# Allegro board Coral-Dev-Board-Mini-layout-Allegro.brd
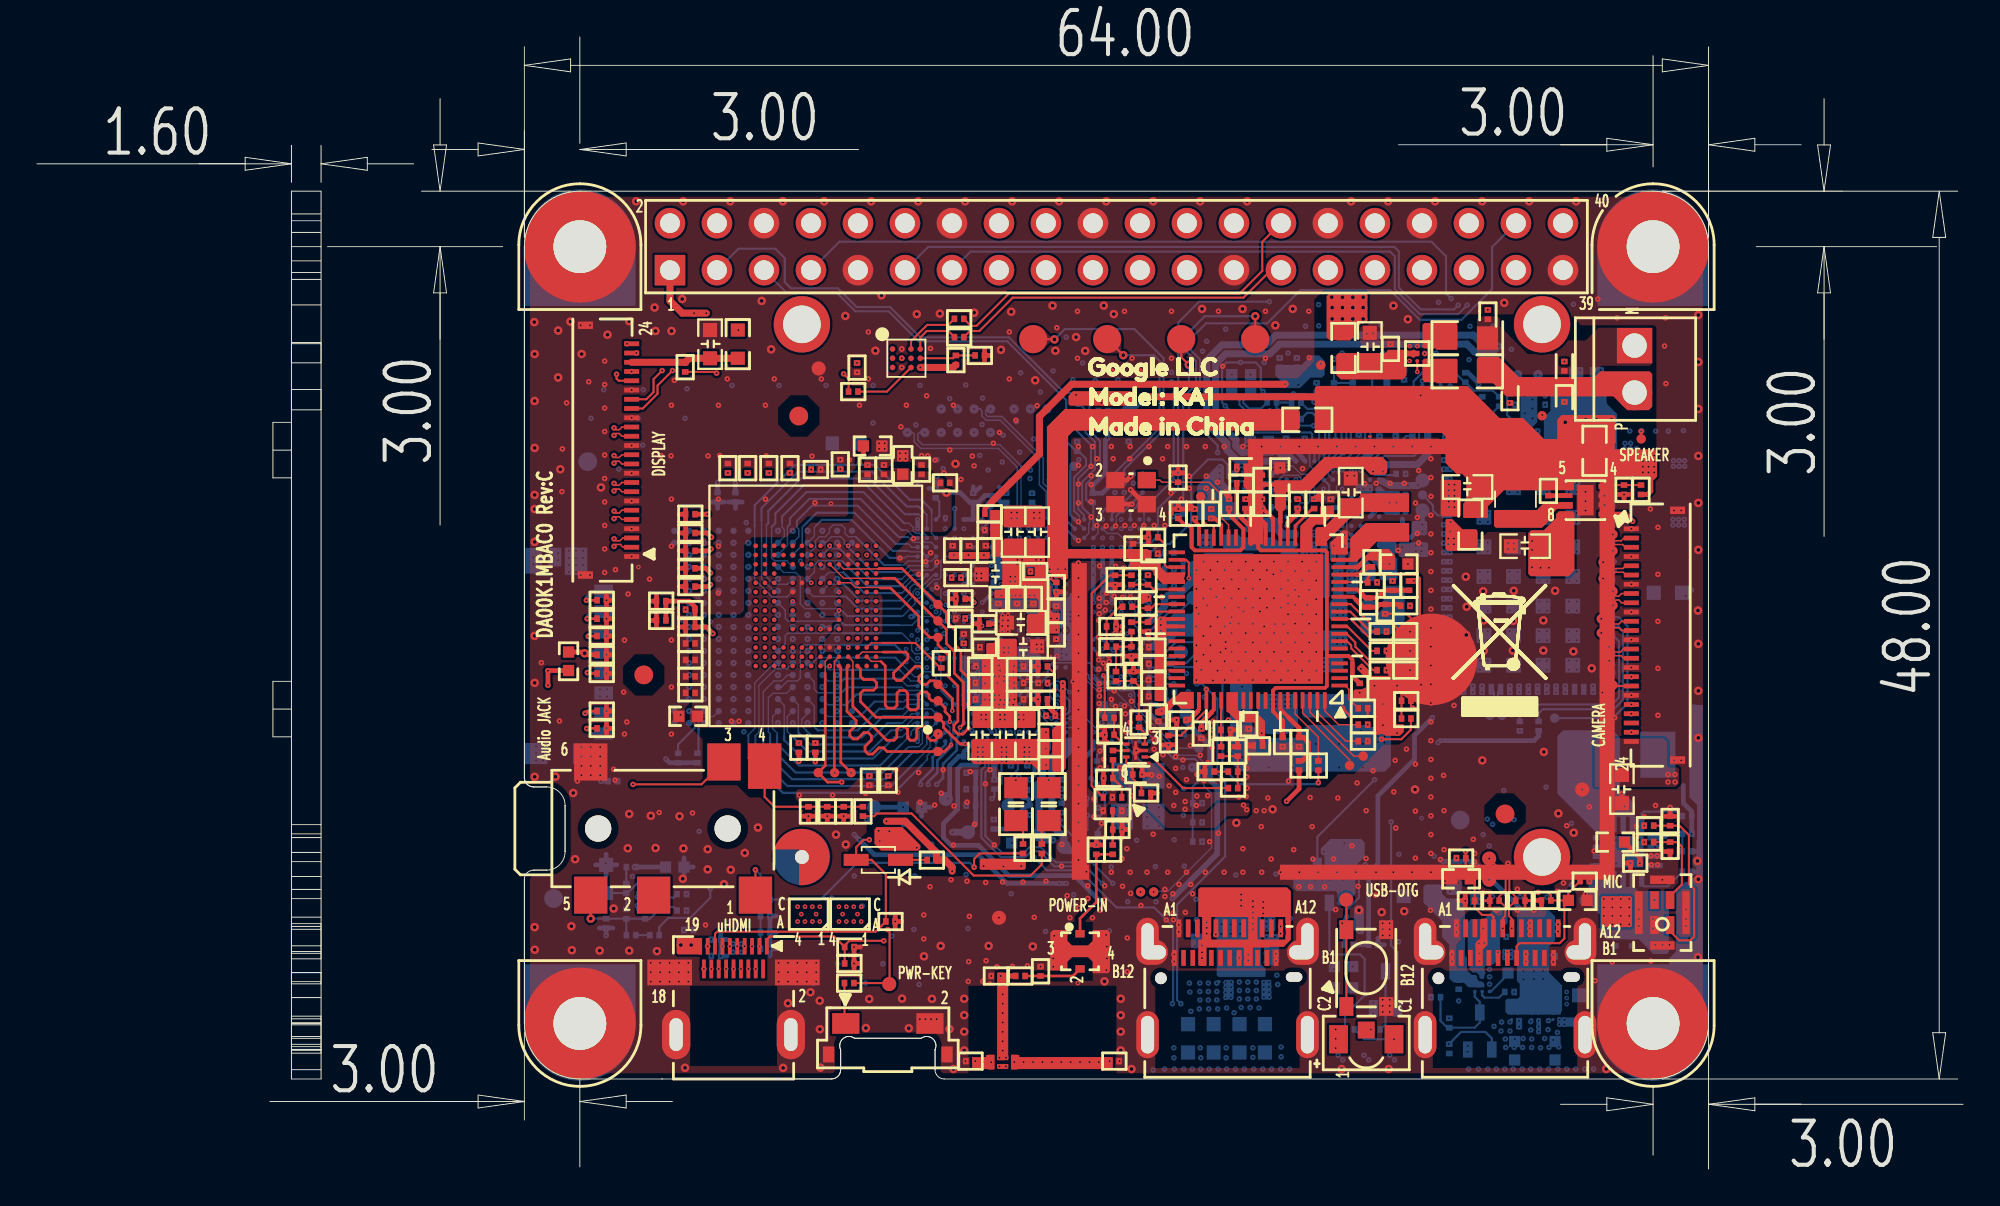
[diagram p0: board, top side]
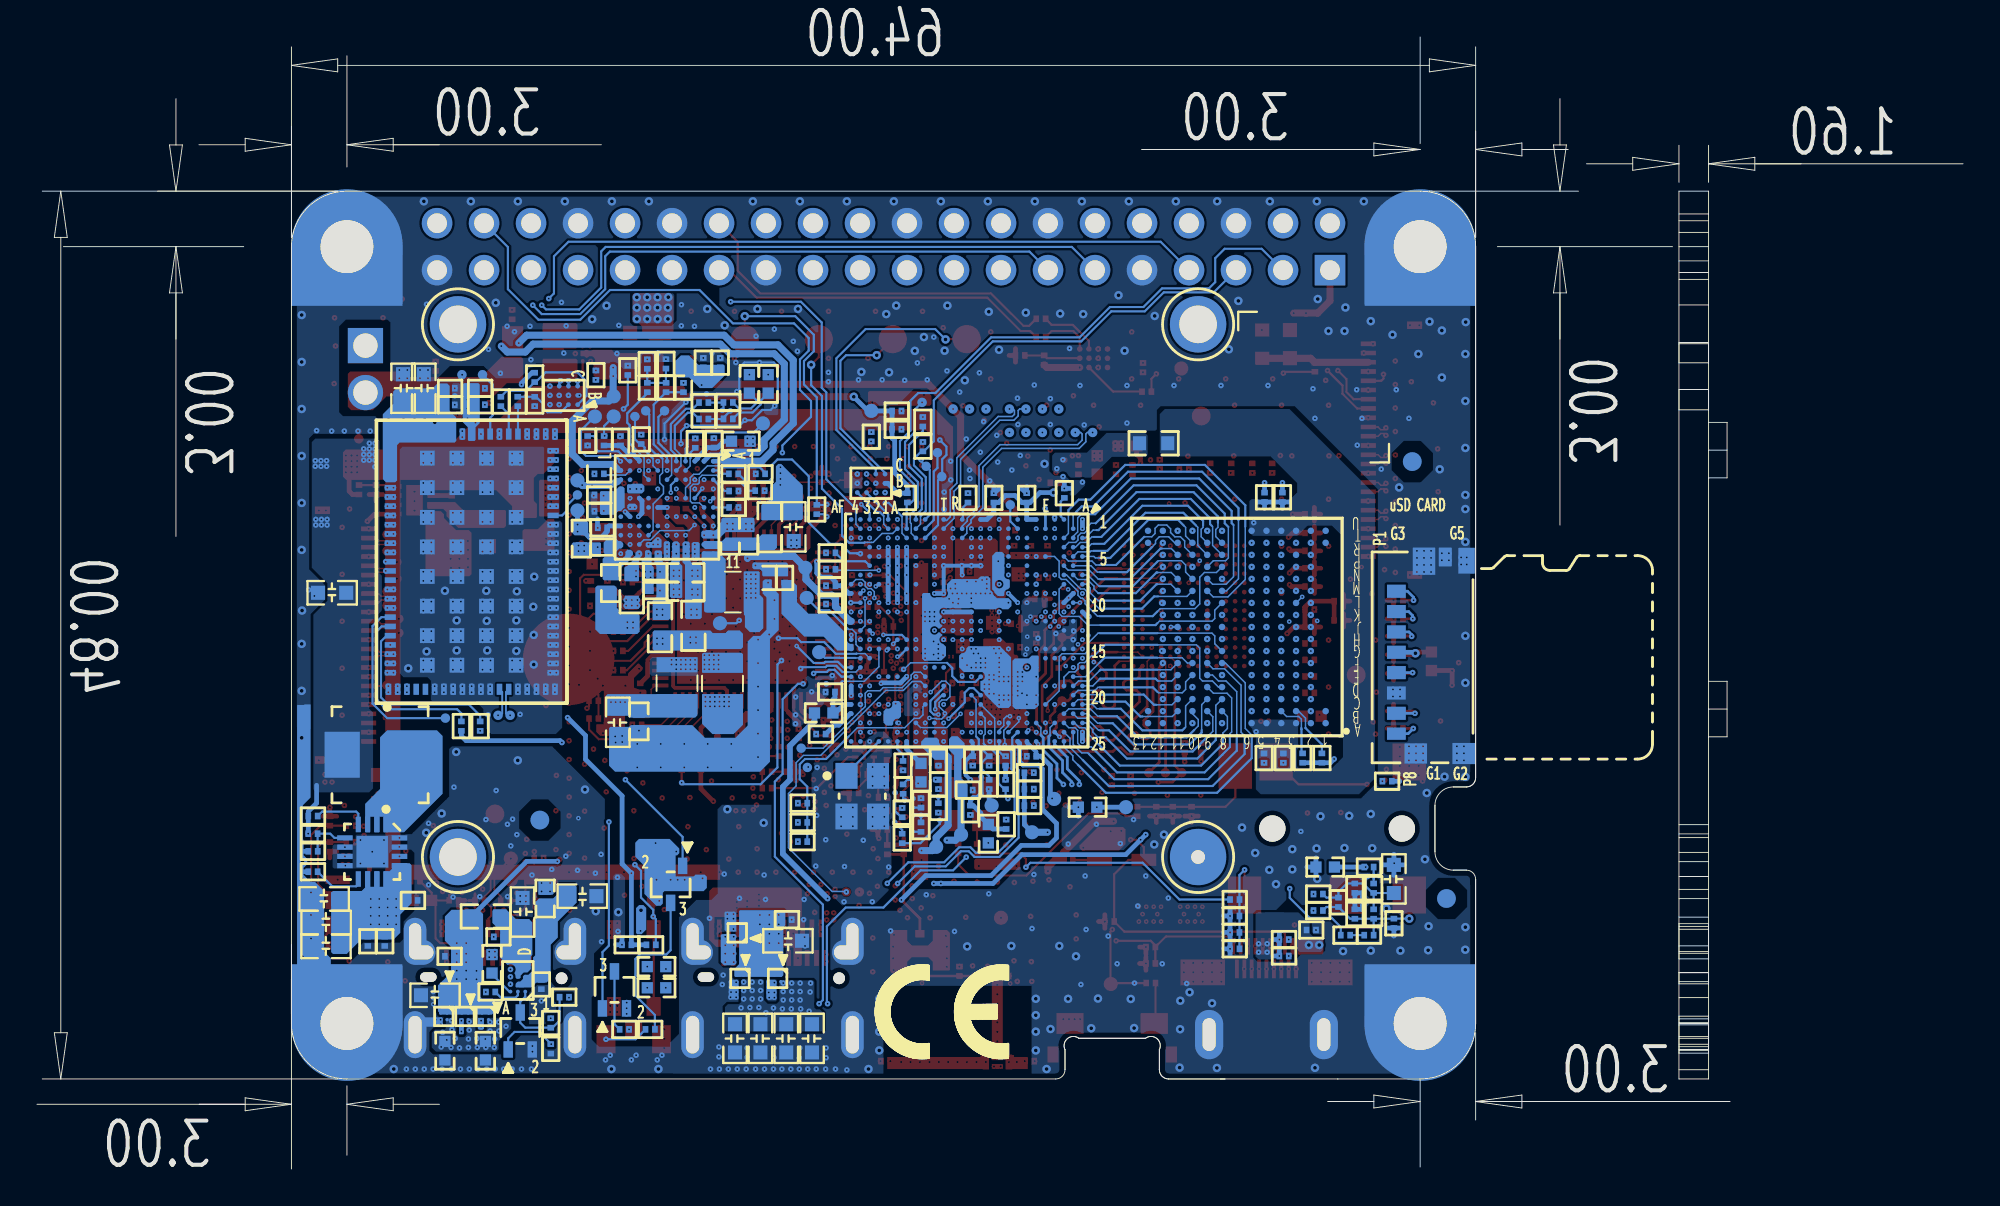
[diagram p1: board, bottom side, seen from below]

Outline 104.09 x 61.2 mm; copper layers: TOP, L02_GND1, L03_IN1, L04_IN2, L05_POW, L06_GND2, L07_IN3, L08_IN4, L09_IN5, BOTTOM. Coordinates in mm from the lower left corner of the outline.

## Design rules (mm)
constraint set DEFAULT: min track width 0.114
net group CLK_16_N: nets CLK_N CLK_P
net group D0N_16: nets D0N D0P
net group D1: nets HDMI_D1_N HDMI_D1_P
net group D1P_16: nets D1N D1P
net group D2N_16: nets D2N D2P
net group DVDDIO_ANTSEL: nets DVDDIO_ANTSEL N17933258
net group ECLK0: nets ECLK0 ECLK0_B
net group HDMI_CLK_P: nets HDMI_CLK_N HDMI_CLK_P
net group HDMI_D0_N: nets HDMI_D0_N HDMI_D0_P
net group HDMI_D2_N: nets HDMI_D2_N HDMI_D2_P
net group MIPI_CSI_D2: nets MIPI_CSI_D2_N MIPI_CSI_D2_P
net group MIPI_CSI_D3: nets MIPI_CSI_D3_N MIPI_CSI_D3_P
net group SDIO_DAT0: nets SDIO_DAT0 WIFI_SDIO.DAT0
net group USB: nets USB_DATA_N USB_DATA_P
net group USB_GA1600: nets USB_APEX.USB_APEX_D_M USB_APEX.USB_APEX_D_P
net group AUDIO: nets SPK_P
net group DDR_ADD: nets EA0 EA1 EA2 EA3 EA4 EA5 EA6 EA7 EA8 EA9 ECKE0 ECKE1 ECS0 ECS1
net group DDR_D: nets ED0 ED1 ED2 ED3 ED4 ED5 ED6 ED7 ED8 ED9 ED10 ED11 ED12 ED13 ED14 ED15 ED16 ED17 ED18 ED19 ED20 ED21 ED22 ED23 ED24 ED25 ED26 ED27 ED28 ED29 ED30 ED31 EDQM0 EDQM1 EDQM2 EDQM3
net group DQS: nets EDQS0 EDQS0_B EDQS1 EDQS1_B EDQS2 EDQS2_B EDQS3 EDQS3_B
net group MIPI: nets DSI_TCN DSI_TCP DSI_TDN0 DSI_TDN1 DSI_TDN2 DSI_TDN3 DSI_TDP0 DSI_TDP1 DSI_TDP2 DSI_TDP3 MIPI_CSI_CLK_N MIPI_CSI_CLK_P
net group POWER: nets ADA_IN PMU_VBAT_VCORE PMU_VBAT_VPROC PMU_VBAT_VSYS VCAMA_PMU VCAMD_PMU VSYS_PMU
net group RF: nets BT_TDD N16781464 RFIP_BT RFIP_BT_CO WF0_LNA_EXT_G WF0_RFIO_A WF0_RFIO_G WF_BT_2G_TDD WF_RF_5G_TRX WF_TDD
net group SDIO(WIFI): nets WIFI_SDIO.CLK WIFI_SDIO.CMD WIFI_SDIO.DAT1 WIFI_SDIO.DAT2 WIFI_SDIO.DAT3
net group SPI: nets PWRAP.SPI_CK PWRAP.SPI_CSN PWRAP.SPI_MI PWRAP.SPI_MO PWRAP.SRCLKEN
net group VCORE_FB: nets GND_VCORE_FB GND_VPROC_FB VCORE_FB VPROC_FB
nets with their own width: min track width 0.254; nets GND MICBIAS0 MICBIAS1 VGP1_PMU VMCH_PMU
nets with their own width: min track width 0.381; nets SPK_N_R1 SPK_P_R1 VAUD22_PMU VAUD28_PMU VCAM_AF_PMU VELDO18_PMU VEMC33_PMU VMC_PMU VXO22_PMU
nets with their own width: min track width 0.635; nets VCCIO_PMU
nets with their own width: min track width 1.016; nets SPK_N
nets with their own width: min track width 1.27; nets 3V_SYSTEM
nets with their own width: min track width 3.048; nets VBUS VSYS
nets with their own width: min track width 3.81; nets VPROC_PMU
nets with their own width: min track width 5.08; nets VCORE_PMU

## Placement (name value [footprint] x y rotation side)
C1  1uF/10V  [C0201]  70.1 43.53 270 bottom
C2  22uF/6.3V  [C0603]  63.19 34.72 90 bottom
C3  4.7uF/10V  [C0402]  69.04 32.23 180 bottom
C4  4.7uF/10V  [C0402]  69.04 31.23 180 bottom
C5  4.7uF/10V  [C0402]  66.63 34.24 270 bottom
C6  4.7uF/10V  [C0402]  65.63 34.24 270 bottom
C7  2.2uF/10V  [C0201]  70.67 32.29 180 bottom
C8  2.2uF/10V  [C0201]  70.67 31.27 180 bottom
C9  1uF/10V  [C0201]  73.71 36.44 180 bottom
C10  1uF/10V  [C0201]  73.71 35.56 180 bottom
C11  1uF/10V  [C0201]  73.53 33.62 180 bottom
C12  22uF/6.3V  [C0603]  72.7 24.15 90 bottom
C13  4.7uF/10V  [C0402]  71.56 24.2 90 bottom
C14  1uF/6.3V  [C0201]  72.55 39.37 270 bottom
C15  1uF/6.3V  [C0201]  66.43 35.77 180 bottom
C16  0.1uF/10V  [C0201]  71.44 39.45 270 bottom
C17  4.7uF/10V  [C0402]  74.67 34.08 90 bottom
C18  1uF/10V  [C0201]  53.77 20.49 0 bottom
C19  0.1uF/10V  [C0201]  81.79 11.5 180 bottom
C20  0.1uF/10V  [C0201]  73.53 34.67 180 bottom
C21  0.1uF/10V  [C0201]  63.56 13.48 0 bottom
C22  3.3pF  [C0201]  30.52 29.75 0 top
C23  3.3pF  [C0201]  30.52 30.75 0 top
C24  3.3pF  [C0201]  30.52 23.82 0 top
C29  0.1uF/10V  [C0201]  73.26 31.54 270 top
C30  0.1uF/10V  [C0201]  72.86 30.27 90 top
C31  4.7uF/10V  [C0402]  73.59 32.71 0 top
C32  0.1uF/10V  [C0201]  65.99 22.88 0 top
C33  10pF/25V  [C0201]  65.49 24.05 270 top
C34  0.1uF/10V  [C0201]  71.48 26 90 top
C35  10uF/25V  [C0603]  71 36.57 270 top
C36  0.1uF/10V  [C0201]  72.15 32.81 90 top
C37  1uF/6.3V  [C0201]  68.21 23.08 270 top
C38  1uF/6.3V  [C0201]  67.32 23.08 270 top
C39  1uF/6.3V  [C0201]  66.2 35.96 90 top
C40  4.7uF/10V  [C0402]  67.17 37.41 90 top
C41  1uF/6.3V  [C0201]  68.13 35.96 90 top
C42  2.2uF/6.3V  [C0201]  69.91 35.96 90 top
C43  0.01uF/10V  [C0201]  69.02 35.96 90 top
C44  1uF/6.3V  [C0201]  65.31 35.96 90 top
C45  1uF/6.3V  [C0201]  52.96 30.83 90 top
C46  1uF/6.3V  [C0201]  51.95 30.83 90 top
C47  22uF/6.3V  [C0603]  52.78 34.44 270 top
C48  22uF/6.3V  [C0603]  54.05 34.43 270 top
C49  22uF/6.3V  [C0603]  53.18 29.54 0 top
C50  22uF/6.3V  [C0603]  51.81 32.15 0 top
C51  0.1uF/10V  [C0201]  55.09 28.9 90 top
C52  0.1uF/10V  [C0201]  53.95 32.3 0 top
C53  0.1uF/10V  [C0201]  55.09 30.17 270 top
C54  0.1uF/10V  [C0201]  51.18 29.48 0 top
C55  0.1uF/10V  [C0201]  53.85 30.83 90 top
C56  1uF/6.3V  [C0201]  50.98 25.39 0 top
C57  1uF/6.3V  [C0201]  53.06 25.39 180 top
C58  22uF/6.3V  [C0603]  53.29 28.26 180 top
C59  22uF/6.3V  [C0603]  52.24 23.49 90 top
C60  22uF/6.3V  [C0603]  50.97 23.49 90 top
C61  22uF/6.3V  [C0603]  53.51 23.49 90 top
C62  0.1uF/10V  [C0201]  50.98 26.28 0 top
C63  0.1uF/10V  [C0201]  50.98 27.2 0 top
C64  0.1uF/10V  [C0201]  53.06 26.28 180 top
C65  0.1uF/10V  [C0201]  53.06 27.17 180 top
C66  0.1uF/10V  [C0201]  51.21 28.21 0 top
C67  1uF/6.3V  [C0201]  49.91 29.76 180 top
C68  1uF/6.3V  [C0201]  50.08 28.67 90 top
C69  0.1uF/10V  [C0201]  50.35 22.32 180 bottom
C70  0.1uF/10V  [C0201]  54.78 22.73 0 top
C71  0.1uF/10V  [C0201]  54.78 21.84 0 top
C72  0.1uF/10V  [C0201]  54.78 23.62 0 top
C73  0.1uF/10V  [C0201]  53.52 22.06 90 bottom
C74  0.1uF/10V  [C0201]  50.47 19.65 0 bottom
C75  0.1uF/10V  [C0201]  50.47 21.43 0 bottom
C76  0.1uF/10V  [C0201]  50.47 20.54 0 bottom
C77  0.1uF/10V  [C0201]  61.19 30.55 180 bottom
C78  1uF/6.3V  [C0201]  54.36 26.28 180 top
C79  0.1uF/10V  [C0201]  51.28 33.45 270 top
C80  0.1uF/10V  [C0201]  52.38 36.29 270 bottom
C81  0.1uF/10V  [C0201]  50.6 36.29 270 bottom
C82  0.1uF/10V  [C0201]  61.19 31.54 180 bottom
C83  0.1uF/10V  [C0201]  49.48 33.44 270 top
C84  0.1uF/10V  [C0201]  50.37 33.44 270 top
C95  3.3pF  [C0201]  30.52 24.76 0 top
C99  3.3pF  [C0201]  30.52 26.79 0 top
C100  1uF/6.3V  [C0201]  67.16 43.6 270 bottom
C105  3.3pF  [C0201]  30.52 28.82 0 top
C106  *NM  [C0201]  88.26 18.82 90 top
C114  *NM  [C0201]  88.26 17.42 270 top
C127  2.2uF/10V  [C0201]  67.51 39.26 270 bottom
C154  22uF/6.3V  [C0603]  80.42 33.67 0 top
C155  22uF/6.3V  [C0603]  77.31 36.88 0 top
C156  *NM  [C0201]  46.13 13.38 0 top
C157  1uF/10V  [C0201]  83.77 14.52 0 bottom
C158  1uF/10V  [C0201]  51.48 34.54 0 top
C159  0.1uF/10V  [C0201]  64.58 31.96 90 bottom
C160  10uF/25V  [C0603]  30.76 15.68 90 bottom
C163  33pF/50V  [C0201]  32.87 13.79 90 bottom
C164  33pF/50V  [C0201]  32.87 15.18 90 bottom
C165  100pF/25V  [C0201]  33.76 14.42 90 bottom
C166  0.1uF/10V  [C0201]  34.85 13.98 180 bottom
C167  0.1uF/10V  [C0201]  34.85 14.87 180 bottom
C168  1uF/6.3V  [C0201]  63.46 35.43 90 top
C169  1pF/25V  [C0201]  64.25 23.74 180 top
C170  0.5pF/25V  [C0201]  63.37 21.48 0 top
C171  0.8pF/25V  [C0201]  58.06 29.33 180 top
C176  0.1uF/10V  [C0201]  53.65 19.4 90 bottom
C178  22uF/10V  [C0603]  82.58 9.39 180 bottom
C179  22uF/6.3V  [C0603]  63.51 12.34 0 bottom
C180  0.1uF/10V  [C0201]  64.42 35.96 270 top
C181  *NM  [C0201]  61.67 37.38 270 top
C182  1uF/6.3V  [C0603]  85.66 20.54 90 top
C183  0.1uF/10V  [C0201]  76.83 9.98 90 bottom
C187  10pF/25V  [C0201]  64.64 20.59 180 top
C188  0.5pF/25V  [C0201]  59.25 26.64 270 top
C189  10pF/25V  [C0201]  59.56 24.14 270 top
C190  0.3pF/25V  [C0201]  58.39 18.36 180 top
C191  10pF/25V  [C0201]  57.96 23.48 0 top
C192  0.1uF/10V  [C0201]  35.22 12.92 180 bottom
C193  0.01uF/10V  [C0201]  60.6 24.46 90 top
C194  *NM  [C0201]  57.25 17.27 270 top
C195  10pF/25V  [C0201]  59.47 21.33 180 top
C196  10pF/25V  [C0201]  58.15 22.37 90 top
C197  100pF/25V  [C0201]  61.84 24.28 180 top
C199  1uF/10V  [C0201]  55.37 22.06 90 bottom
C200  0.1uF/10V  [C0201]  30.52 27.81 0 top
C201  1uF/6.3V  [C0201]  62.92 23.54 270 top
C202  *NM  [C0201]  57.9 21.13 180 top
C203  0.01uF/10V  [C0201]  61.68 35.43 270 top
C204  100pF/25V  [C0201]  62.57 35.43 90 top
C205  0.1uF/10V  [C0201]  72.22 12.12 0 bottom
C206  1uF/6.3V  [C0201]  55.37 20.79 90 bottom
C207  1uF/6.3V  [C0201]  86.37 16.54 0 top
C209  0.47uF/25V  [C0201]  52.63 22.06 90 bottom
C210  10pF/25V  [C0201]  60.32 33.27 0 top
C211  0.1uF/10V  [C0201]  85.29 12.31 90 bottom
C212  10uF/25V  [C0603]  74.62 14.75 0 bottom
C213  *NM  [C0603]  72.03 44.45 270 top
C214  *NM  [C0201]  73.15 44.34 90 top
C215  *NM  [C0201]  66.74 41.44 0 bottom
C216  *NM  [C0201]  66.74 40.56 0 bottom
C218  22uF/6.3V  [C0603]  88.47 12.03 180 bottom
C219  0.47uF/25V  [C0201]  54.35 25.4 0 top
C220  2.2uF/6.3V  [C0201]  59.23 33.55 90 top
C223  2.2uF/25V  [C0402]  47.31 19.56 0 bottom
C224  0.1uF/10V  [C0201]  37.34 37.89 90 top
C225  0.1uF/10V  [C0201]  35.31 33.42 180 top
C226  0.1uF/10V  [C0201]  35.31 35.4 180 top
C227  0.1uF/10V  [C0201]  49.91 30.83 180 top
C228  0.1uF/10V  [C0201]  41.18 22.78 270 top
C229  0.1uF/10V  [C0201]  35.31 32.48 180 top
C230  0.1uF/10V  [C0201]  35.31 31.49 180 top
C231  2.2uF/25V  [C0402]  45.16 39.09 0 top
C232  0.1uF/10V  [C0201]  38.41 37.89 90 top
C233  0.1uF/10V  [C0201]  42.09 37.82 0 top
C234  0.1uF/10V  [C0201]  43.41 38.1 90 top
C235  0.1uF/10V  [C0201]  42.06 22.78 270 top
C236  0.1uF/10V  [C0201]  35.31 34.39 180 top
C237  0.1uF/10V  [C0201]  40.69 37.89 90 top
C238  0.1uF/10V  [C0201]  39.55 37.89 90 top
C239  0.1uF/10V  [C0201]  37.75 36.32 90 bottom
C240  0.1uF/10V  [C0201]  37.77 22.22 270 bottom
C241  0.1uF/10V  [C0201]  36.78 36.32 90 bottom
C242  1uF/6.3V  [C0201]  48.87 27.35 270 top
C243  1000pF/25V  [C0201]  82.55 43.4 270 top
C244  3.6pF/25V  [C0201]  58.22 5.83 0 top
C245  *NM  [C0201]  54.24 10.69 270 top
C246  0.1uF/10V  [C0201]  79.15 12.55 180 bottom
C247  1000pF/25V  [C0201]  82.55 41.73 90 top
C248  0.1uF/10V  [C0201]  68.08 43.6 270 bottom
C249  0.5pF/25V  [C0201]  50.45 5.83 180 top
C250  2.2uF/25V  [C0402]  35.19 24.48 180 top
C251  0.1uF/10V  [C0201]  35.31 28.42 180 top
C252  0.1uF/10V  [C0201]  35.31 27.52 180 top
C253  0.1uF/10V  [C0201]  35.31 26.63 180 top
C254  0.1uF/10V  [C0201]  35.31 25.75 180 top
C255  2.2uF/25V  [C0402]  46.79 38.06 90 top
C256  0.1uF/10V  [C0201]  49.08 37.1 0 top
C257  0.1uF/10V  [C0201]  45.77 37.81 90 top
C258  0.1uF/10V  [C0201]  44.88 37.81 90 top
C259  0.1uF/10V  [C0201]  47.81 37.81 90 top
C261  *NM  [C0201]  43.9 11.11 180 top
C262  22uF/10V  [C0603]  88.46 13.33 180 bottom
C263  10uF/25V  [C0603]  77.85 13.89 270 bottom
C264  10uF/25V  [C0603]  88.57 14.6 180 bottom
C265  0.1uF/10V  [C0201]  86.21 12.31 90 bottom
C266  10pF/25V  [C0201]  60.33 28.21 180 top
C267  3.3nF/16V  [C0201]  89.18 16.07 0 bottom
C268  22uF/6.3V  [C0603]  88.14 31.15 180 bottom
C269  *NM  [C0201]  72.17 31.72 0 top
C270  10pF/25V  [C0201]  60.33 27.33 180 top
C271  1uF/10V  [C0201]  57.28 21.81 90 bottom
C272  33pF/50V  [C0201]  42.71 19.33 270 top
C273  33pF/50V  [C0201]  39.36 13.68 180 bottom
C274  100uF/4V  [C0805]  54.69 19.73 270 top
C275  100uF/4V  [C0805]  52.91 19.73 270 top
C278  2.2uF/6.3V  [C0201]  60.33 26.44 180 top
C279  10pF/25V  [C0201]  60.33 25.55 180 top
C280  0.1uF/10V  [C0201]  44.32 43.33 90 top
C281  0.1uF/10V  [C0201]  81.76 41.32 0 bottom
C282  1uF/10V  [C0201]  81.76 42.21 0 bottom
C283  22uF/6.3V  [C0603]  83.19 42.21 270 bottom
C284  22uF/6.3V  [C0603]  84.3 42.21 270 bottom
C285  0.1uF/10V  [C0201]  80.14 42.21 0 bottom
C286  1uF/10V  [C0201]  80.14 41.32 0 bottom
C287  22uF/6.3V  [C0603]  66.36 7.07 90 bottom
C288  22uF/6.3V  [C0603]  62.21 7.07 90 bottom
C289  22uF/6.3V  [C0603]  64.99 7.07 90 bottom
C290  22uF/6.3V  [C0603]  63.59 7.07 90 bottom
C291  4.7uF/10V  [C0402]  79.86 6.39 270 bottom
C292  4.7uF/10V  [C0402]  82.04 6.39 270 bottom
C516  0.1uF/10V  [C0201]  35.31 30.25 0 top
C517  0.1uF/10V  [C0201]  33.73 29.66 180 top
C518  0.1uF/10V  [C0201]  33.73 30.7 180 top
C519  0.1uF/10V  [C0201]  35.31 29.31 180 top
C520  *NM  [C0603]  36.37 44.6 270 top
C521  4.7uF/10V  [C0402]  34.47 16.33 180 bottom
C522  4.7uF/10V  [C0402]  85.29 17.67 0 top
C523  0.1uF/10V  [C0201]  36.73 22.22 270 bottom
C524  *NM  [C0201]  62.71 18.74 180 bottom
C525  1uF/6.3V  [C0201]  44.99 21 270 top
C526  1uF/6.3V  [C0201]  46 21 270 top
CON1  uHDMI  [HDMI19-0_4MM-MICRO-10118241]  37.64 8.72 0 top
D2  LED_Green/Red  [LED3-S326KGJRKT-SMD]  71.84 7.01 180 top
D4  RB551VM-30TE-17  [SOD323]  45.47 16.71 180 top
ESD1  DESD5V0V1BCSP-7  [R0201]  30.76 13.28 90 bottom
ESD2  DESD5V0V1BCSP-7  [R0201]  39.36 11.9 180 bottom
ESD3  DESD5V0V1BCSP-7  [R0201]  41.69 19.33 90 top
ESD4  DESD5V0V1BCSP-7  [R0201]  78.77 14.51 0 top
ESD5  DESD5V0V1BCSP-7  [R0201]  80.16 14.51 180 top
ESD6  DESD5V0V1BCSP-7  [R0201]  81.56 14.52 0 top
ESD7  DESD5V0V1BCSP-7  [R0201]  77.44 14.51 0 top
HOLE1  *SHIELD_CAN_BASE  [HOLE238-112]  29.34 49.87 0 top
HOLE2  *SHIELD_CAN_BASE  [HOLE238-112]  87.34 49.87 0 top
HOLE3  *SHIELD_CAN_BASE  [HOLE238-112]  29.34 7.87 180 top
HOLE4  *SHIELD_CAN_BASE  [HOLE238-112]  87.34 7.87 180 top
HOLE5  *SHIELD_CAN_BASE  [HOLE120-80#2]  81.34 16.87 180 bottom
HOLE6  *SHIELD_CAN_BASE  [HOLE120-80#2]  41.34 45.67 180 bottom
HOLE7  *SHIELD_CAN_BASE  [HOLE120-80#2]  81.34 45.67 180 bottom
HOLE8  *SHIELD_CAN_BASE  [HOLE120-80]  41.34 16.87 270 bottom
J1  Z-S4702A18220100  [SIP2-2_54-S4702A1210110]  86.54 43.25 270 top
J2  CX90B1-24P  [USB2X12-DFHS24FR333_CX90B1]  79.34 11.61 0 top
J3  FH34SRJ-24S  [FPC24-0_5-14_18X4_71MM]  32.14 38.87 270 top
J4  2SJ2296-000111  [AUDIO-2SJ2296-000111]  33.83 18.41 180 top
J5  MicroSD  [SD8-1_1MM-MICRO-475710001]  28.73 27.66 90 bottom
J6  2X20 Header  [HD2X20-2_54MM-HEADER]  58.34 49.87 0 top
J7  CX90B1-24P  [USB2X12-DFHS24FR333_CX90B1]  64.34 11.61 0 top
J12  FH34SRJ-24S  [FPC24-0_5-14_18X4_71MM]  86.16 28.86 90 top
L1  FIXED IND 1UH 2.55A 65 MOHM  [L2520]  67.04 26.25 270 bottom
L2  FIXED IND 1UH 2.55A 65 MOHM  [L2520]  66.48 31.2 180 bottom
L3  FIXED IND 1UH 2.55A 65 MOHM  [L2520]  69.5 26.27 270 bottom
L8  1uH  [L2520]  79.9 36.22 90 top
L9  1.2nH  [L0201]  63.99 22.58 270 top
L10  2.2uH/2.5A  [L2_5X2-1-HTEN25201T]  73.1 35.22 270 top
L11  3.9nH  [L0201]  60.04 30.58 270 top
L12  1.2nH  [L0201]  51.82 10.44 0 top
L13  2.2uH  [CHOKE-PCMB051H-3R3MS]  85.55 22.4 0 bottom
L14  *NM  [L0201]  60.04 29.31 90 top
L15  2.7nH  [L0201]  64.89 22.58 270 top
L16  1.8nH  [L0201]  58.92 30.4 180 top
L17  0.8nH  [L0201]  59.15 29.31 270 top
L18  1.5nH  [L0201]  64.64 21.48 0 top
L19  *NM  [L0201]  59.15 27.99 90 top
L20  *NM  [L0201]  60.04 31.85 270 top
L21  1nH  [L0201]  58.06 28.24 0 top
L22  1nH  [L0201]  59.15 31.85 90 top
L23  2.2nH  [L0201]  58.31 26.64 270 top
L24  *NM  [L0201]  58.26 31.85 90 top
L25  1nH  [L0201]  58.14 17.27 270 top
L26  BLM15AG221SN1D  [L0201]  78.41 46.2 90 top
L27  BLM15AG221SN1D  [L0201]  79.61 41.68 270 top
L28  MCB1608S121IBP  [R0603]  79.83 13.66 0 bottom
L29  *NM  [R0603]  37.87 44.6 270 top
NC1  *Shortpad  [NC_MMD_L3_4MIL]  54.79 27.7 90 top
NC2  *Shortpad  [NC_MMD_L3_4MIL]  54.59 27.7 90 top
NC3  *Shortpad  [NC_MMD_L3_4MIL]  53.52 26.69 180 top
NC4  *Shortpad  [NC_MMD_L3_4MIL]  53.52 26.48 180 top
NC5  *Shortpad  [NC_MMD_L8_4MIL]  72.03 39.6 180 top
NOREF  -  [unnamed]  32.79 26.71 0 top
NOREF#2  -  [unnamed]  79.34 19.2 0 top
NOREF#3  -  [#2]  78.96 29.03 0 top
NOREF#4  -  [unnamed]  41.17 40.71 0 top
NOREF#5  -  [unnamed]  29.76 38.25 180 bottom
NOREF#6  -  [#2]  55.91 8.54 180 bottom
NOREF#7  -  [unnamed]  76.91 18.87 180 bottom
NOREF#8  -  [unnamed]  27.92 14.62 180 bottom
Q1  *NM  [SOT23-3PIN-0_65-BAM00010001]  77.97 7.46 180 bottom
Q4  RU1C001UNTCL  [SOT23-3PIN-0_65-BAM00010001]  69.85 15.39 0 bottom
Q5  RU1C001UNTCL  [SOT23-3PIN-0_65-BAM00010001]  72.88 9.68 180 bottom
R1  0_5%  [R0402]  73.09 31.68 270 bottom
R2  0_5%  [R0201]  73.44 39.37 270 bottom
R3  0_5%  [R0201]  74.15 31.54 90 top
R4  0_5%  [R0201]  73.95 30.45 0 top
R5  *NM  [R0201]  66.2 37.26 270 top
R6  10_1%  [R0402]  56.31 21.43 270 bottom
R9  0_5%  [R0201]  65.1 37.97 180 top
R10  *NM  [R0201]  71.97 30.63 90 top
R11  0_5%  [R0201]  73.95 29.05 0 top
R12  0_5%  [R0201]  72.68 29.05 0 top
R13  0_5%  [R0201]  73.95 28.01 0 top
R14  0_5%  [R0201]  68.21 21.81 270 top
R15  240_1%  [R0201]  34.65 22.22 90 bottom
R16  45.3_1%  [R0201]  48.57 36.54 90 bottom
R17  0_5%  [R0201]  72.68 28.01 0 top
R18  0_5%  [R0201]  68.51 39.25 270 bottom
R19  0_5%  [R0201]  65.02 36.67 0 bottom
R20  0_5%  [R0201]  71.11 43.52 270 bottom
R22  0_5%  [R0201]  56.21 40.4 90 bottom
R23  1K_1%  [R0201]  77.19 41.5 270 bottom
R24  1K_1%  [R0201]  77.19 42.8 90 bottom
R25  0_5%  [R0201]  51.48 35.43 180 top
R26  12K_1%  [R0201]  61.72 23.51 0 bottom
R27  0_5%  [R0201]  73.95 26.97 0 top
R28  0_1%  [R0603]  68.65 40.51 180 top
R29  0_1%  [R0603]  77.47 34.84 270 top
R30  0_5%  [R0201]  68.06 41.44 180 bottom
R31  0_5%  [R0201]  68.06 40.55 180 bottom
R32  *NM  [R0402]  65.59 42.45 90 bottom
R33  3.3K_1%  [R0201]  71.11 42.25 270 bottom
R34  330K_1%  [R0201]  70.09 42.25 270 bottom
R35  39K_1%  [R0201]  69.15 42.25 90 bottom
R36  4.9M_1%  [R0402]  61.57 24.66 180 bottom
R37  1M_1%  [R0201]  61.22 25.79 0 bottom
R38  5.11K_1%  [R0201]  54.35 27.17 0 top
R39  240_1%  [R0201]  35.69 22.22 90 bottom
R40  4.7K_1%  [R0201]  57.62 39.99 0 bottom
R41  4.7K_1%  [R0201]  57.62 40.98 0 bottom
R42  4.7K_1%  [R0201]  56.21 39.06 90 bottom
R43  4.7K_1%  [R0201]  57.05 36.29 90 bottom
R44  4.7K_1%  [R0201]  51.74 20.79 90 bottom
R45  4.7K_1%  [R0201]  51.74 22.06 270 bottom
R48  0_5%  [R0201]  57.96 24.39 180 top
R49  4.7K_1%  [R0201]  36.69 12.41 180 bottom
R50  4.7K_1%  [R0201]  36.69 11.52 180 bottom
R51  *NM  [R0805]  77.29 43.12 0 top
R52  *NM  [R0402]  64.57 42.45 90 bottom
R53  *NM  [R0805]  77.29 44.93 0 top
R54  *NM  [R0201]  70.9 12.12 0 bottom
R55  1K_1%  [R0201]  81.15 23.95 270 bottom
R56  499_1%  [R0201]  72.35 7.55 0 bottom
R57  499_1%  [R0201]  70.95 7.55 180 bottom
R58  *NM  [R0201]  75.59 9.29 0 bottom
R59  10K_1%  [R0201]  79.57 9.57 180 bottom
R60  56K_1%  [R0402]  79.5 11.09 270 bottom
R61  0_5%  [R0201]  71.66 24.91 0 top
R62  *NM  [R0603]  70.61 44.39 270 top
R63  0_5%  [R0201]  74 24.35 0 top
R64  0_5%  [R0201]  71.66 24.02 0 top
R65  0_5%  [R0201]  71.66 23.13 0 top
R66  180K_1%  [R0201]  89.17 19.08 0 bottom
R67  180K_1%  [R0201]  89.17 17.18 180 bottom
R68  680K_1%  [R0201]  89.18 18.13 0 bottom
R69  1.5K_1%  [R0201]  53.77 36.29 270 bottom
R70  0_5%  [R0201]  53.14 10.44 0 top
R71  0_5%  [R0201]  59.94 20.33 0 top
R72  *NM  [R0201]  74 25.32 0 top
R73  0_5%  [R0201]  69.25 21.81 270 top
R76  0_5%  [R0201]  73.71 37.59 180 bottom
R77  0_5%  [R0201]  74.33 39.37 90 bottom
R78  0_5%  [R0201]  44.63 19.33 90 top
R79  1K_1%  [R0201]  32.1 12.64 180 bottom
R80  0_5%  [R0201]  39.36 14.57 0 bottom
R81  470_1%  [R0201]  39.36 12.79 0 bottom
R82  470_1%  [R0201]  43.6 19.33 270 top
R83  470K_1%  [R0201]  31.12 20.97 0 bottom
R84  100_1%  [R0201]  54.3 17.31 90 top
R85  100_1%  [R0201]  53.29 17.31 90 top
R90  8.25K%  [R0201]  85.77 36.72 270 top
R91  52.3K_1%  [R0201]  86.69 36.72 90 top
R92  180K_1%  [R0201]  81.68 36.66 90 top
R93  0_5%  [R0201]  66.44 37.59 180 bottom
R96  10K_1%  [R0201]  65.1 37.08 0 top
R97  10K_1%  [R0201]  61.15 23.19 270 top
R98  10K_1%  [R0201]  60.32 34.16 180 top
R99  0_5%  [R0201]  72.68 26.97 0 top
R100  0_5%  [R0201]  76.32 7.89 90 bottom
R104  0_5%  [R0201]  64.99 37.59 0 bottom
R105  27K_5%  [R0201]  48.36 16.7 0 top
R106  0_5%  [R0201]  52.63 20.79 270 bottom
R107  0_5%  [R0201]  54.78 24.51 180 top
R109  10K_1%  [R0201]  72.16 43.18 270 bottom
R110  1.5K_5%  [R0201]  31.85 13.79 90 bottom
R111  1K_1%  [R0201]  31.85 15.18 90 bottom
R112  0_5%  [R0201]  32.1 16.33 0 bottom
R113  0_5%  [R0201]  33.37 12.64 0 bottom
R114  10K_1%  [R0402]  52.68 18.13 270 bottom
R115  39K_1%  [R0201]  51.71 18.64 270 bottom
R116  *NM  [R0201]  61.19 33.31 180 bottom
R117  *NM  [R0201]  55.09 31.46 90 top
R118  *NM  [R0201]  61.19 32.43 180 bottom
R119  0_1%  [R0603]  70.42 29.29 90 bottom
R120  0_1%  [R0603]  64.49 34.7 270 bottom
R121  0_1%  [R0603]  68.62 29.37 90 bottom
R122  0_5%  [R0402]  66.05 39.35 180 bottom
R124  0_5%  [R0402]  28.73 27.45 270 top
R127  0_5%  [R0201]  56.31 19.79 90 bottom
R128  0_5%  [R0201]  56.31 18.49 90 bottom
R129  0_5%  [R0201]  57.33 17.87 270 bottom
R130  0_5%  [R0201]  55.38 19.52 90 bottom
R131  0_5%  [R0201]  57.33 19.27 90 bottom